# Allegro board MCU-OLD.brd (continued)
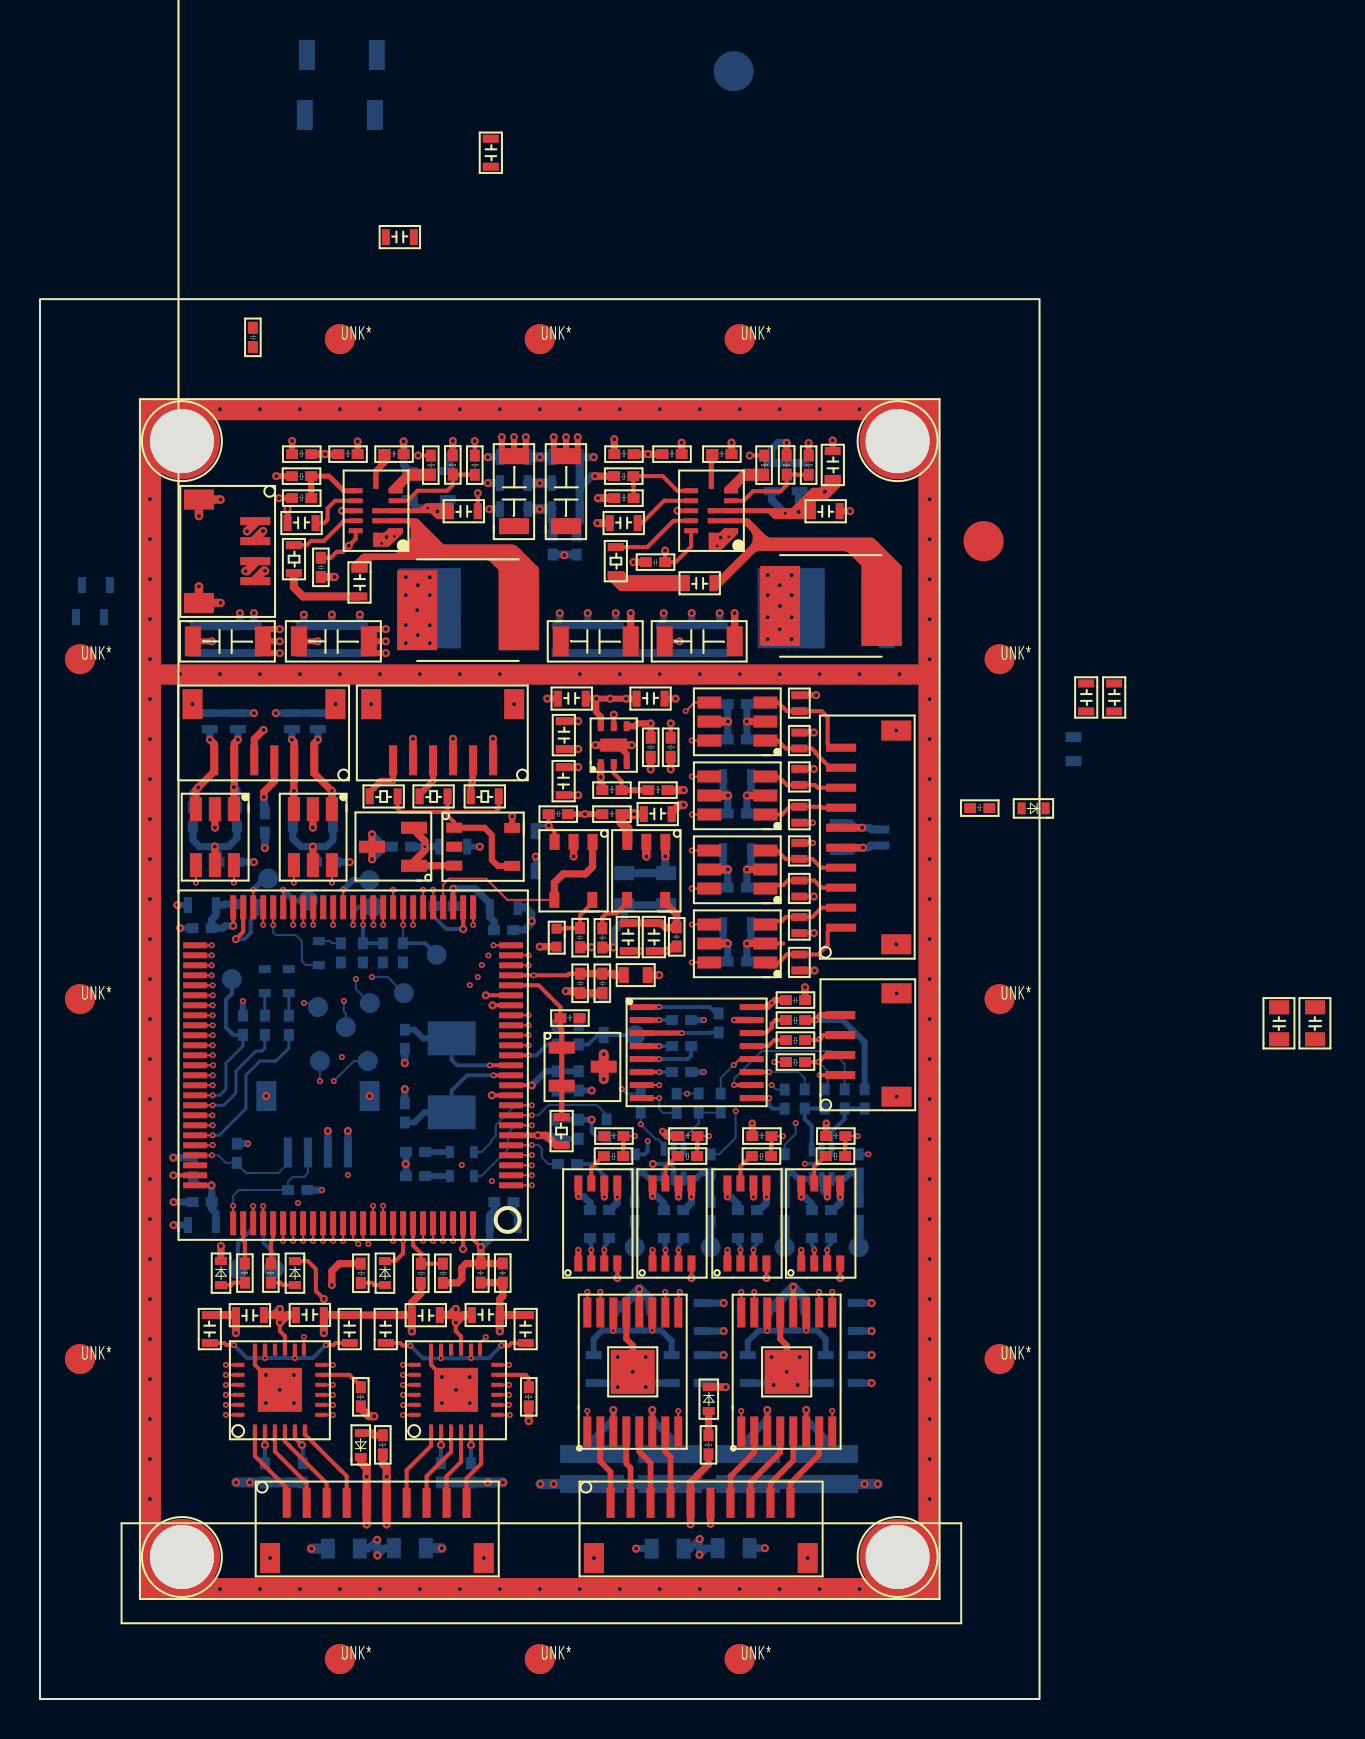
[diagram p0: board, top side]
## Routing (per net, layer and track width the routed paths; a pad name or vN(x,y) marks a point on that pad's centre or on a via; arc(x,y) is an arc through that point) (continued)
M4_PWM-: length 36.7
  TOP w0.1: U19.32 v2(18.67,38.71) ; U27.10 v2(38.98,20.36)
  SIGNAL-L8 w0.1: v2(18.67,38.71) 18.2,38.25 18.2,36.5 19.7,35 19.7,26.8 21.73,24.77 24.21,24.77 25.41,23.57 28.83,23.57 30.4,22 37.5,22 38.75,20.75 38.75,20.59 v2(38.98,20.36)
MCU_LED1: length 8.1
  TOP w0.1: U19.70 v2(8.64,28.19)
  BOTTOM w0.15: v2(8.64,28.19) 8.96,28.19 10.3,29.52 10.3,31.2 11,31.9 11.8,31.9 12.45,32.55 R144.1
MCU_LED2: length 6
  TOP w0.1: U19.67 v2(8.64,29.69)
  BOTTOM w0.15: v2(8.64,29.69) 9.19,29.69 9.8,30.3 9.8,31.4 10.8,32.4 11.1,32.4 11.25,32.55 R140.1
MCU_LED3: length 2
  TOP w0.2: U19.77 10.16,22.96 10.25,22.87 R150.1
MCU_LED4: length 2.1
  TOP w0.2: R145.1 11.55,22.85 11.66,22.96 U19.80
MCU_RST_CPU: length 3.7
  TOP w0.1: U19.33 v2(18.17,38.71)
  BOTTOM w0.1: v2(18.17,38.71) 18.17,38.28 18.15,38.27 R309.1
  BOTTOM w0.2: TP55.1 19.27,37.79 R309.1
MCU_RST_FPGA: length 8.3
  TOP w0.1: U19.66 v2(8.64,30.19)
  BOTTOM w0.15: R328.1 10.15,32.65 9.3,31.8 9.3,30.5 8.99,30.19 v2(8.64,30.19)
  BOTTOM w0.2: R328.1 9.67,33.21 9.3,33.58 9.3,34.97 9.6,35.27 TP43.1
MCU_SPI2_MISO: length 9.5
  TOP w0.1: U19.53 v2(8.59,36.69)
  SIGNAL-L7 w0.1: v2(8.59,36.69) 13.41,36.69 v2(15.2,34.9)
  BOTTOM w0.1: TP60.1 15.3,34.28 15.2,34.38 v2(15.2,34.9)
MCU_SPI2_MOSI: length 7.2
  TOP w0.1: U19.54 v2(8.59,36.19)
  SIGNAL-L7 w0.1: v2(8.59,36.19) 12.51,36.19 13.2,35.5 v2(13.2,34.8)
  BOTTOM w0.1: TP59.1 13.7,34.8 v2(13.2,34.8)
MCU_SPI2_NSS: length 11.4
  TOP w0.1: U19.51 v2(8.59,37.69)
  SIGNAL-L7 w0.1: v2(16.6,36.1) 15.2,37.5 9.6,37.5 9.41,37.69 v2(8.59,37.69)
  BOTTOM w0.1: TP62.1 17.4,36.1 v2(16.6,36.1)
MCU_SPI2_SCK: length 10
  TOP w0.1: U19.52 v2(8.59,37.19)
  SIGNAL-L7 w0.1: v2(8.59,37.19) 14.61,37.19 v2(15.8,36)
  BOTTOM w0.1: v2(15.8,36) 15.8,35.5 TP61.1
MCU_UART1_RXD: length 10.1
  TOP w0.1: U19.69 v2(8.64,28.69)
  SIGNAL-L4 w0.1: v2(8.64,28.69) 12.79,28.69 14.7,30.6 v2(14.7,30.9)
  BOTTOM w0.1: TP57.1 15.7,31.9 v2(14.7,30.9)
MCU_UART1_TXD: length 8
  TOP w0.1: U19.68 v2(8.62,29.19)
  SIGNAL-L4 w0.1: v2(14,30.9) 14,30.8 12.39,29.19 v2(8.62,29.19)
  BOTTOM w0.1: v2(14,30.9) TP58.1
MCU_UART3_RXD: length 37.4
  TOP w0.1: U19.56 v2(8.64,35.19)
  SIGNAL-L4 w0.1: v2(8.64,35.19) 9.49,35.19 9.6,35.3 20.77,35.3 21.17,35.7 v2(21.5,35.7)
  SIGNAL-L7 w0.1: v2(21.5,35.7) 23.6,35.7 24.8,34.5 30.1,34.5 30.6,35 34.6,35 36,33.6 36,30.6 v2(34.8,29.4)
  BOTTOM w0.1: R331.1 33.98,27.24 34.8,28.06 v2(34.8,29.4)
MCU_UART3_TXD: length 37.9
  TOP w0.1: U19.55 v2(8.64,35.69)
  SIGNAL-L4 w0.1: v2(21.9,36.1) 21.1,36.1 20.69,35.69 15.95,35.69 15.94,35.67 15.66,35.67 15.65,35.69 v2(8.64,35.69)
  SIGNAL-L7 w0.1: v2(21.9,36.1) 23.7,36.1 25,34.8 29.7,34.8 30.3,35.4 35.2,35.4 37.8,32.8 v2(37.8,28.8)
  BOTTOM w0.1: R324.1 37.25,27.72 37.8,28.27 v2(37.8,28.8)
MCU_UART4_RXD: length 29.9
  TOP w0.1: U19.79 v2(11.16,24.65)
  SIGNAL-L4 w0.1: v2(11.16,24.65) 11.16,25.46 12.3,26.6 16.48,26.6 17.18,25.9 v2(22.6,25.9)
  SIGNAL-L8 w0.1: v2(30.4,27.9) 29.8,27.3 29.8,24.9 29.1,24.2 26.2,24.2 25.17,25.23 23.6,25.23 22.93,25.9 v2(22.6,25.9)
  BOTTOM w0.2: v2(11.16,24.65) 11.16,24.28 11.19,24.25 11.19,22.81 11.7,22.3 TP47.1 ; R338.1 30.24,27.24 30.4,27.4 v2(30.4,27.9)
MCU_UART4_TXD: length 41.9
  TOP w0.1: U19.78 v2(10.66,24.65)
  SIGNAL-L4 w0.1: v2(10.66,24.65) 10.66,25.66 12,27 16.7,27 17.5,26.2 20.27,26.2 20.77,26.7 v2(21.1,26.7)
  SIGNAL-L8 w0.1: v2(21.1,26.7) 21.6,26.7 21.9,26.4 21.9,25.67 22.37,25.2 22.9,25.2 23.1,25 24.3,25 25.5,23.8 39.7,23.8 41.67,25.77 41.67,27.01 v2(41.44,27.24)
  BOTTOM w0.2: TP48.1 9.9,22.8 10.66,23.56 v2(10.66,24.65) ; R332.1 v2(41.44,27.24)
NFAULT12: length 28.2
  TOP w0.1: v2(31.93,14.41) U26.8 ; U19.7 v2(24.6,28.69)
  SIGNAL-L3 w0.1: v2(31.93,14.41) 32.8,15.28 32.8,20.2 33,20.4 33,22 32.8,22.2 32.8,24.83 32.94,24.97 32.94,25.26 32.8,25.4 32.8,26.2 32.7,26.3 27.6,26.3 25.21,28.69 v2(24.6,28.69)
  BOTTOM w0.1: D20.1 22.08,26.15 23.4,27.47 23.4,28.3 23.79,28.69 v2(24.6,28.69)
NFAULT34: length 34.9
  TOP w0.1: U27.8 v2(39.63,14.41) ; U19.9 v2(24.6,29.69)
  SIGNAL-L3 w0.1: v2(39.63,14.41) 39.2,14.83 33.97,14.83 33.72,15.08 33.72,18.21 33.7,18.23 33.7,18.57 33.72,18.59 33.72,20.92 33.9,21.1 33.9,26.5 32.6,27.8 30.94,27.8 30.64,27.5 27.8,27.5 25.61,29.69 v2(24.6,29.69)
  BOTTOM w0.1: D21.1 22.08,27.35 22.57,27.85 22.57,27.94 22.8,28.16 22.8,28.7 23.79,29.69 v2(24.6,29.69)
NRST_MCU: length 6.6
  TOP w0.2: v2(24.44,32.19) U19.14
  BOTTOM w0.2: TP56.1 29.05,33.2 29.04,33.2 D40.2 27.9,33.2 27.43,32.73 R323.2 C504.2 25.37,32.73 24.83,32.19 v2(24.44,32.19)
NSLEEP12: length 18.7
  TOP w0.1: U26.1 v2(27.38,14.41) ; U19.5 24.59,27.69 v2(24.6,27.7)
  SIGNAL-L3 w0.1: v2(27.38,14.41) 27.38,15.22 26.4,16.2 26.4,26.23 24.93,27.7 v2(24.6,27.7)
  BOTTOM w0.1: R180.1 25.43,26.75 25.1,27.08 25.1,27.53 24.93,27.7 v2(24.6,27.7)
NSLEEP34: length 29.8
  TOP w0.1: v2(35.08,14.41) U27.1 ; U19.8 v2(24.6,29.19)
  SIGNAL-L3 w0.1: v2(24.6,29.19) 25.31,29.19 27.3,27.2 32.5,27.2 33.3,26.4 33.3,14.9 33.79,14.41 v2(35.08,14.41)
  BOTTOM w0.1: v2(24.6,29.19) 24.93,29.19 25.44,29.7 27.86,29.7 28.35,29.21 R182.1
OSCIN: length 6.9
  TOP w0.2: U19.12 v2(22.68,31.19)
  BOTTOM w0.2: Y3.2 20.59,30.42 21.36,31.19 v2(22.68,31.19)
  BOTTOM w0.3: C527.2 18.73,28.83 19.24,29.34 Y3.2
OSCOUT: length 6.7
  TOP w0.2: U19.13 v2(22.5,31.69)
  BOTTOM w0.2: Y3.1 20.59,31.96 20.87,31.69 v2(22.5,31.69)
  BOTTOM w0.3: Y3.1 19.16,33.04 18.73,33.47 C513.2
PHY_UART_RX1: length 7.3
  TOP w0.3: J21.4 39.05,34.2 v2(38.8,33.95) R371.2
  BOTTOM w0.1: 41.25,30.29 R348.1
  BOTTOM w0.3: v2(38.8,33.95) 40.15,33.95 41.25,32.85 R348.1
PT100-1: length 9.4
  TOP w0.1: U19.30 v2(19.67,40.47)
  TOP w0.3: J7.2 21.64,46.92 v2(21.64,45.91) 21.64,45.82 21.55,45.73 R299.2
  SIGNAL-L3 w0.1: v2(19.67,40.47) 19.67,40.84 20.5,41.67 20.5,45.4 21.01,45.91 v2(21.64,45.91)
PT100-2: length 9.1
  TOP w0.1: U19.31 v2(19.17,40.47)
  TOP w0.3: J7.4 19.67,46.93 v2(19.67,45.91) 18.99,45.24 R298.2
  SIGNAL-L3 w0.1: v2(19.17,40.47) 19.17,40.9 18.55,41.52 18.55,44.16 19.67,45.28 v2(19.67,45.91)
PT100-3: length 9
  TOP w0.1: U19.34 v2(17.67,40.47)
  TOP w0.3: R297.2 16.49,45.34 17.06,45.91 v2(17.66,45.91) J7.6
  SIGNAL-L3 w0.1: v2(17.66,45.91) 17.66,45.59 17.67,45.58 v2(17.67,40.47)
SMTR1_ADEC: length 12.4
  TOP w0.1: U19.86 v2(14.66,22.91) ; U48.19 v2(9.3,16.71)
  SIGNAL-L3 w0.1: v2(14.66,22.91) 14.66,22.16 12.9,20.4 9.8,20.4 8.8,19.4 8.8,16.88 8.97,16.71 v2(9.3,16.71)
SMTR1_DEC0: length 14.4
  TOP w0.1: U19.83 v2(13.16,22.91) ; U48.22 v2(9.3,15.21)
  SIGNAL-L3 w0.1: v2(13.16,22.91) 13.16,22.36 12.3,21.5 9,21.5 7.6,20.1 7.6,16.5 8.89,15.21 v2(9.3,15.21)
SMTR1_DEC1: length 15.9
  TOP w0.1: v2(12.16,22.91) U19.81 ; U48.24 v2(9.3,14.21)
  SIGNAL-L3 w0.1: v2(12.16,22.91) 12.16,22.58 11.78,22.2 8.3,22.2 6.8,20.7 6.8,16 8.59,14.21 v2(9.3,14.21)
SMTR1_DIR: length 7.1
  TOP w0.1: v2(15.16,22.91) 15.16,22.97 15.16,22.97 U19.87 ; U48.13 v2(13.2,18.1)
  SIGNAL-L3 w0.1: v2(13.2,18.1) 13.2,20 15.16,21.96 v2(15.16,22.91)
SMTR1_I0: length 13.1
  TOP w0.1: U48.20 v2(9.3,16.21) ; U19.85 v2(14.16,22.91)
  SIGNAL-L3 w0.1: v2(14.16,22.91) 14.16,22.16 12.8,20.8 9.5,20.8 8.4,19.7 8.4,16.78 8.97,16.21 v2(9.3,16.21)
SMTR1_I1: length 13.8
  TOP w0.1: U19.84 v2(13.66,22.91) ; U48.21 v2(9.3,15.71)
  SIGNAL-L3 w0.1: v2(13.66,22.91) 13.66,22.26 12.5,21.1 9.2,21.1 8,19.9 8,16.6 8.89,15.71 v2(9.3,15.71)
SMTR1_M0: length 11.2
  TOP w0.1: U19.92 v2(17.66,22.91) ; v2(14.65,14.7) 14.6,14.7 14.59,14.71 U48.8
  SIGNAL-L3 w0.1: v2(14.65,14.7) 15.2,14.7 16.05,15.55 16.05,20.45 17.66,22.06 v2(17.66,22.91)
SMTR1_M1: length 10.2
  TOP w0.1: v2(14.65,15.2) 14.5,15.2 14.49,15.21 U48.9 ; U19.89 16.16,23.07 16.43,22.8 v2(16.43,22.75)
  SIGNAL-L3 w0.1: v2(16.43,22.75) 16.43,21.52 15.72,20.81 15.72,15.89 15.03,15.2 v2(14.65,15.2)
SMTR1_NFAULT: length 13.8
  TOP w0.1: U48.7 14.49,14.21 14.5,14.2 v2(14.65,14.2) ; U19.93 v2(18.16,22.91)
  TOP w0.2: v2(18.16,22.91) 18.16,22.29 17.78,21.9 D43.1
  SIGNAL-L3 w0.1: v2(14.65,14.2) 15.4,14.2 16.37,15.17 16.37,20.07 18.16,21.87 v2(18.16,22.91)
SMTR1_NSLEEP: length 15.2
  TOP w0.1: U19.82 v2(12.66,22.91) ; U48.23 v2(9.3,14.71)
  SIGNAL-L3 w0.1: v2(9.3,14.71) 8.79,14.71 7.2,16.3 7.2,20.4 8.7,21.9 12.2,21.9 12.66,22.36 v2(12.66,22.91)
SMTR1_PWM: length 28
  TOP w0.1: v2(14.65,16.7) 14.6,16.7 14.59,16.71 U48.12 ; U19.25 v2(22.68,37.69)
  SIGNAL-L3 w0.1: v2(14.65,16.7) 15.08,17.13 15.08,21.28 15.53,21.73 15.53,25.02 15.9,25.39 15.9,29.85 15.86,29.89 15.86,30.41 15.9,30.45 15.9,34.6 18.99,37.69 v2(22.68,37.69)
SMTR1_TOFF_SEL: length 9.5
  TOP w0.1: v2(15.93,22.75) 15.66,23.02 U19.88 ; U48.10 v2(14.65,15.71)
  SIGNAL-L3 w0.1: v2(14.65,15.71) 15.03,15.71 15.41,16.09 15.41,21.02 15.93,21.54 v2(15.93,22.75)
SMTR2_ADEC: length 20.1
  TOP w0.1: U28.19 v2(18.16,16.71) ; v2(24.6,27.2) 24.59,27.19 U19.4
  SIGNAL-L4 w0.1: v2(24.6,27.2) 24.93,27.2 25.3,26.83 25.3,21.6 24.2,20.5 18.4,20.5 17.1,19.2 17.1,17.38 17.77,16.71 v2(18.16,16.71)
SMTR2_DEC0: length 11
  TOP w0.1: U19.97 v2(20.16,22.91) ; U28.22 v2(18.16,15.21)
  SIGNAL-L3 w0.1: v2(20.16,22.91) 20.16,22.16 17.3,19.3 17.3,15.5 17.59,15.21 v2(18.16,15.21)
SMTR2_DEC1: length 12.2
  TOP w0.1: v2(18.16,14.2) 18.2,14.2 18.21,14.21 U28.24 ; U19.95 v2(19.16,22.91)
  SIGNAL-L3 w0.1: v2(19.16,22.91) 19.16,22.26 16.7,19.8 16.7,14.9 17.4,14.2 v2(18.16,14.2)
SMTR2_DIR: length 29.6
  TOP w0.1: U28.13 22.01,17.81 v2(22.3,18.1) ; v2(11.17,38.71) U19.47
  SIGNAL-L8 w0.1: v2(11.17,38.71) 11.17,35.53 16.2,30.5 16.2,30.43 16.09,30.32 16.09,29.98 16.2,29.87 16.2,26 15.6,25.4 15.6,24.3 16.9,23 16.9,22 17.7,21.2 21.4,21.2 22.3,20.3 v2(22.3,18.1)
SMTR2_I0: length 22.2
  TOP w0.1: U19.71 8.59,27.69 8.6,27.7 v2(8.64,27.7) ; U28.20 v2(18.16,16.21)
  SIGNAL-L4 w0.1: v2(18.16,16.21) 17.59,16.21 16.6,17.2 16.6,20.6 15.7,21.5 8.98,21.5 7.8,22.68 7.8,27.4 8.1,27.7 v2(8.64,27.7)
SMTR2_I1: length 10.4
  TOP w0.1: U28.21 v2(18.16,15.71) ; U19.98 v2(20.66,22.91)
  SIGNAL-L3 w0.1: v2(20.66,22.91) 20.66,22.06 17.6,19 17.6,15.9 17.79,15.71 v2(18.16,15.71)
SMTR2_M0: length 15.7
  TOP w0.1: v2(23.46,14.71) U28.8 ; U19.3 v2(24.6,26.69)
  SIGNAL-L3 w0.1: v2(23.46,14.71) 24.01,14.71 25.9,16.6 25.9,25.8 25.01,26.69 v2(24.6,26.69)
SMTR2_M1: length 14.3
  TOP w0.1: v2(24.6,26.19) U19.2 ; U28.9 v2(23.46,15.21)
  SIGNAL-L3 w0.1: v2(23.46,15.21) 23.91,15.21 25.5,16.8 25.5,25.7 25.01,26.19 v2(24.6,26.19)
SMTR2_NFAULT: length 40.5
  TOP w0.1: U19.46 v2(11.67,38.7) ; U28.7 23.49,14.21 v2(23.5,14.2)
  SIGNAL-L3 w0.1: v2(12.9,24.8) 12.9,32.4 11.67,33.63 v2(11.67,38.7)
  SIGNAL-L7 w0.1: v2(23.5,14.2) 23.9,14.2 24.2,14.5 24.2,19.72 22.72,21.2 17.7,21.2 16.9,22 16.9,23.4 16.5,23.8 13.3,23.8 12.9,24.2 v2(12.9,24.8)
  BOTTOM w0.1: D19.1 13.3,36.7 13.1,36.9 13.1,37.9 12.8,38.2 11.8,38.2 11.67,38.33 v2(11.67,38.7)
SMTR2_NSLEEP: length 11.7
  TOP w0.1: v2(18.16,14.7) 18.2,14.7 18.21,14.71 U28.23 ; U19.96 v2(19.66,22.91)
  SIGNAL-L3 w0.1: v2(19.66,22.91) 19.66,22.16 16.99,19.49 16.99,15.21 17.5,14.7 v2(18.16,14.7)
SMTR2_PWM: length 27.2
  TOP w0.1: U28.12 v2(23.46,16.71) ; U19.26 v2(21.67,38.71)
  SIGNAL-L4 w0.1: v2(21.67,38.71) 22.69,38.71 23.6,37.8 23.6,36.6 26,34.2 26,18.8 23.91,16.71 v2(23.46,16.71)
SMTR2_TOFF_SEL: length 12.9
  TOP w0.1: U19.1 v2(24.6,25.69) ; U28.10 v2(23.46,15.71)
  SIGNAL-L3 w0.1: v2(24.6,25.69) 24.93,25.69 25.1,25.51 25.1,16.98 23.83,15.71 v2(23.46,15.71)
STEP1A_DRV1: length 4.3
  TOP w0.2: U48.1 10.75,12.15 12.34,10.56 J18.1
STEP1A_DRV2: length 4.3
  TOP w0.2: U48.3 11.75,12.38 13.34,10.79 J18.2
STEP1B_DRV1: length 4.5
  TOP w0.2: J18.4 15.34,11.15 15.1,11.39 15.09,11.39 13.25,13.23 U48.6
STEP1B_DRV2: length 4.5
  TOP w0.2: J18.3 14.34,10.79 12.25,12.88 U48.4
STEP2A_DRV1: length 4.1
  TOP w0.2: J18.7 18.34,11.44 19.56,12.66 U28.1
STEP2A_DRV2: length 4.1
  TOP w0.2: U28.3 20.56,12.36 19.34,11.14 J18.8
STEP2B_DRV1: length 3.9
  TOP w0.2: J18.10 21.34,11.04 22.06,11.76 U28.6
STEP2B_DRV2: length 3.9
  TOP w0.2: J18.9 20.34,11.14 21.06,11.86 U28.4
SWCLK: length 6.9
  TOP w0.1: U19.76 v2(9.66,24.66)
  BOTTOM w0.1: J20.2 13.4,26.3 13.2,26.1 12.63,26.1 12.41,25.88 R157.1 9.95,25.45 9.66,25.16 v2(9.66,24.66)
SWDIO: length 5.8
  TOP w0.1: U19.72 v2(8.6,27.19)
  BOTTOM w0.1: J20.1 12.4,26.78 11.92,26.3 10.31,26.3 9.85,26.76 R153.1 9.3,26.81 8.93,27.19 v2(8.6,27.19)
TTL_TXD: length 11.2
  TOP w0.2: v2(39,31.2) J21.1
  SIGNAL-L3 w0.1: v2(32.37,30.27) 32.37,31.47 33.7,32.8 36.9,32.8 38.5,31.2 v2(39,31.2)
  BOTTOM w0.1: R369.2 v2(32.37,30.27) 32.38,30.28 R350.1
VMTR: length 18.6
  TOP w0.26: U27.12 v1(37.68,20.6) ; U26.12 v1(29.98,20.5)
  TOP w0.36: R327.2 33.44,11.74 32.54,10.84 J19.5 v1(32.54,8.74)
  BOTTOM w0.36: C188.1 v1(41.6,17.2) ; C649.1 33.32,7.54 33,7.22 ; 33,7.22 v1(33,8) 32.52,7.52 C642.1 ; 33,7.22 v1(32.99,7.21) ; C178.1 v1(34.2,19.8) ; C187.1 v1(34.2,17.2) ; C181.1 v1(41.6,19.8)
  BOTTOM w0.5: C196.1 38.24,20.04 v1(37.68,20.6) 36.65,19.57 C180.1 ; C194.1 30.54,19.95 v1(29.98,20.5) 29.05,19.57 C179.1
VREF_2V5: length 8.4
  TOP w0.2: U19.21 24.94,35.69 26.03,34.6 C487.2
  TOP w0.26: C487.2 26.03,33.54 26.1,33.47 U39.1 U39.2 R320.2
VSMTR: length 14.4
  TOP w0.2: U48.15 12.25,18.15 12,18.4 v1(12,18.83) ; v1(20.8,18.83) 20.8,18.4 21.06,18.14 U28.15
  TOP w0.4: R379.2 17.15,11.75 17.34,11.56 v1(17.34,11.12) J18.6 v1(17.34,8.73) ; C177.1 21.17,19.2 v1(20.8,18.83) v1(20.8,19.5) 20.5,19.2 C174.1 ; C592.1 12.37,19.2 v1(12,18.83) v1(12,19.5) 11.7,19.2 C590.1
  BOTTOM w0.36: C643.1 16.42,7.52 v1(16.86,7.96) ; C648.1 17.24,7.54 v1(16.88,7.18)
  BOTTOM w0.4: v1(16.88,7.18) 16.86,7.2 v1(16.86,7.96)
N01539: length 7.6
  TOP w0.3: U26.14 v2(28.68,18.42) ; U26.11 v2(30.63,18.43)
  BOTTOM w0.3: C167.2 27.7,18 28.12,18.42 v2(28.68,18.42) 30.24,18.42 30.25,18.43 v2(30.63,18.43) 31.07,18.43 31.6,17.9 C166.2
N02684: length 12
  TOP w0.2: v1(28.88,21.05) U46.4 ; U26.3 v1(28.68,14.46)
  SIGNAL-L4 w0.2: v1(28.88,21.05) 28.88,19.58 27.7,18.4 27.7,15.9 28.7,14.9 28.7,14.48 v1(28.68,14.46)
  BOTTOM w0.36: R170.2 27.62,12.93 28.69,14 28.69,14.44 v1(28.68,14.46)
N02906: length 11.8
  TOP w0.2: U26.6 v1(30.63,14.46) ; U45.4 v1(32.59,21.05)
  SIGNAL-L4 w0.2: v1(30.63,14.46) 31.6,15.43 31.6,17.5 32.59,18.49 v1(32.59,21.05)
  BOTTOM w0.36: v1(30.63,14.46) 30.63,13.97 31.52,13.08 R171.2
N04940: length 1.2
  BOTTOM w0.3: R181.2 D20.2
N07800: length 1.3
  TOP w0.2: U45.2 v2(31.29,22.46)
  BOTTOM w0.2: v2(31.29,22.46) 31.29,22.71 31.21,22.79 R360.1
N07815: length 1.4
  TOP w0.2: U45.3 v2(31.94,22.46)
  BOTTOM w0.2: v2(31.94,22.46) 31.94,22.64 32.17,22.87 R360.2
N08892: length 1.3
  TOP w0.2: U46.2 v2(27.58,22.46)
  BOTTOM w0.2: R361.1 27.51,22.79 27.58,22.72 v2(27.58,22.46)
N08904: length 1.4
  TOP w0.2: U46.3 v2(28.23,22.46)
  BOTTOM w0.2: R361.2 28.47,22.87 28.23,22.63 v2(28.23,22.46)
N10404: length 1.7
  TOP w0.2: R339.1 28.16,27.15 27.58,26.57 U46.7
N11136: length 1.7
  TOP w0.2: R342.1 31.86,27.15 31.29,26.58 U45.7
N27735: length 7.6
  TOP w0.3: U27.14 v2(36.38,18.42) ; U27.11 v2(38.33,18.43)
  BOTTOM w0.3: C170.2 39.3,18 38.87,18.43 v2(38.33,18.43) 37.95,18.43 37.94,18.42 v2(36.38,18.42) 35.95,18.42 35.4,17.87 C169.2
N27979: length 11.8
  TOP w0.2: v1(36.34,21.05) U44.4 ; U27.3 v1(36.38,14.46)
  SIGNAL-L4 w0.2: v1(36.34,21.05) 36.34,19.54 35.4,18.6 35.4,15.86 36.38,14.88 v1(36.38,14.46)
  BOTTOM w0.36: R172.2 35.42,13.02 36.38,13.98 v1(36.38,14.46)
N28117: length 11.7
  TOP w0.2: U27.6 v1(38.33,14.46) ; U43.4 v1(40.03,21.05)
  SIGNAL-L4 w0.2: v1(38.33,14.46) 39.2,15.33 39.2,17.5 40.03,18.33 v1(40.03,21.05)
  BOTTOM w0.36: R173.2 39.32,12.98 38.33,13.97 v1(38.33,14.46)
N28299: length 1.3
  TOP w0.2: U43.2 v2(38.73,22.46)
  BOTTOM w0.2: R358.1 38.61,22.7 38.73,22.58 v2(38.73,22.46)
N28303: length 1.3
  TOP w0.2: U43.3 v2(39.38,22.46)
  BOTTOM w0.2: R358.2 39.57,22.77 39.4,22.6 39.4,22.48 v2(39.38,22.46)
N28307: length 1.3
  TOP w0.2: U44.2 v2(35.04,22.46)
  BOTTOM w0.2: R359.1 34.91,22.79 35.04,22.66 v2(35.04,22.46)
N28311: length 1.3
  TOP w0.2: U44.3 v2(35.69,22.46)
  BOTTOM w0.2: v2(35.69,22.46) 35.69,22.59 35.87,22.77 R359.2
N28637: length 1.2
  BOTTOM w0.3: R186.2 D21.2
N28731: length 1.6
  TOP w0.2: R340.1 39.26,27.15 38.73,26.62 U43.7
N28759: length 1.6
  TOP w0.2: U44.7 35.04,26.63 35.56,27.15 R341.1
N30927: length 1.6
  TOP w0.2: U48.2 v1(11.25,12.7)
  BOTTOM w0.2: R370.1 v1(11.25,12.7)
N30933: length 1.8
  TOP w0.2: U48.5 12.75,13.05 v1(13.1,12.7)
  BOTTOM w0.2: R373.1 13.15,12.65 v1(13.1,12.7)
N33222: length 8.5
  TOP w0.2: U48.17 v2(11.25,17.05) ; v2(9.7,17.7) 9.32,17.7 9.22,17.8 C595.1 ; U48.14 v2(12.75,17.05) ; v2(14.3,17.7) 14.68,17.7 14.78,17.8 C594.1
  BOTTOM w0.2: v2(9.7,17.7) 10.35,17.05 v2(11.25,17.05) v2(12.75,17.05) 13.65,17.05 v2(14.3,17.7)
N38076: length 2.3
  TOP w0.2: U48.11 15.48,16.21 16.05,15.64 R363.1
N39890: length 1.2
  TOP w0.2: D43.2 16.72,20.7 16.61,20.81 R374.1
N41862: length 8.5
  TOP w0.2: U28.14 v2(21.56,17.05) ; U28.17 v2(20.06,17.04) ; C185.1 18.02,17.8 18.15,17.67 v2(18.53,17.67) ; v2(23.08,17.67) 23.46,17.67 23.58,17.8 C190.1
  BOTTOM w0.2: v2(18.53,17.67) 19.16,17.04 v2(20.06,17.04) 21.18,17.04 21.18,17.05 v2(21.56,17.05) 22.45,17.05 v2(23.08,17.67)
N42130: length 1.6
  TOP w0.2: U28.2 v1(20.06,12.7)
  BOTTOM w0.2: R178.1 20.05,12.69 v1(20.06,12.7)
N42224: length 1.6
  TOP w0.2: U28.5 v1(21.56,12.7)
  BOTTOM w0.2: R184.1 21.55,12.69 v1(21.56,12.7)
N42300: length 2.1
  TOP w0.2: U28.11 24.29,16.21 24.45,16.05 R176.1
N42416: length 1.1
  BOTTOM w0.1: D19.2 14.51,37.9 14.62,37.79 R183.1
N50111: length 18.3
  TOP w0.2: C154.2 v1(25.45,43.67) 25.45,43.66 25.74,43.36 U22.3
  SIGNAL-L3 w0.2: v1(26.23,57.2) 26.23,56.27 26.7,55.8 26.7,52.6 24.8,50.7 24.8,44.32 v1(25.45,43.67)
  BOTTOM w0.2: D18.1 24.8,43.47 25,43.67 v1(25.45,43.67)
  BOTTOM w0.4: R156.2 26.2,57.23 v1(26.23,57.2) 26.25,57.22 R154.1
N52095: length 2.9
  TOP w0.2: U22.5 27.63,39.81 27.02,39.2 C163.1 26.35,38.55 26.32,38.52 L20.1
N57048: length 5.8
  TOP w0.36: U40.2 18.71,43.45 19.25,42.91 v2(19.25,42.62) 19.25,42.43 18.71,41.89 18.71,41.66 19.67,41.66 19.67,41.67 U37.3
  BOTTOM w0.36: R291.2 v2(19.25,42.62) C472.2
N57288: length 12.6
  TOP w0.2: R298.1 20.39,44.35 ; 20.39,44.35 20.39,44.17 20.72,43.84 U37.1 ; 20.39,44.35 18.05,44.35 17.89,44.51 R297.1 ; 20.39,44.35 22.79,44.35 22.95,44.51 R299.1
  TOP w0.3: U37.1 22.23,43.57 22.6,43.2 22.6,41.96 22.9,41.66 U37.4
N4905822: length 2.2
  TOP w0.22: C157.2 28.13,39.08 28.34,39.29 28.85,39.29 29.37,39.81 U21.4
N7119824: length 4
  TOP w0.26: U47.1 v2(30.98,34.6)
  BOTTOM w0.2: C596.1 33.81,34.29 33.5,34.6 v2(30.98,34.6)
N7119928: length 1.5
  TOP w0.26: U47.4 v2(30.98,32.65)
  BOTTOM w0.2: C601.1 v2(30.98,32.65)
N7119940: length 1.5
  TOP w0.26: U47.2 v2(30.98,33.95)
  BOTTOM w0.2: C607.1 v2(30.98,33.95)
N7119964: length 3.9
  TOP w0.26: U47.3 v2(32.1,33.3)
  BOTTOM w0.2: C596.2 33.47,33.33 33.44,33.3 v2(32.1,33.3)
N7119992: length 1.5
  TOP w0.2: U47.6 v2(30.98,31.35)
  BOTTOM w0.2: C611.1 v2(30.98,31.35)
N7120000: length 3
  TOP w0.26: U47.5 v2(30.98,32)
  BOTTOM w0.2: v2(30.98,32) 32.4,32 32.57,32.17 C601.2
N7120004: length 2.9
  BOTTOM w0.3: U41.3 37.96,26 37.68,26.28 R324.2
  BOTTOM w0.5: R322.2 R324.2
N7120715: length 1.3
  BOTTOM w0.5: TP53.1 R322.1
N7120840: length 1.3
  BOTTOM w0.36: TP54.1 R329.1
N7121019: length 1.3
  BOTTOM w0.36: TP51.1 R336.1
N7121024: length 1.3
  BOTTOM w0.5: TP52.1 R330.1
N7132397: length 2.1
  TOP w0.2: R371.1 36.78,33.95 36.6,33.77 36.6,33.59 36.31,33.3 U47.14
N7132401: length 8
  TOP w0.1: U47.7 v2(30.98,30.7) ; R368.1 v2(36.73,31.85)
  SIGNAL-L4 w0.1: v2(30.98,30.7) 31.3,30.7 32.88,32.28 36.3,32.28 v2(36.73,31.85)
N7132405: length 1.8
  TOP w0.2: U47.13 36.43,32.65 36.73,32.95 R372.1
N7132409: length 2.4
  TOP w0.1: U47.8 v2(30.98,30.05)
  BOTTOM w0.1: R369.1 31.17,29.31 30.98,29.5 v2(30.98,30.05)
N7132815: length 3.2
  BOTTOM w0.1: R349.2 R350.2 32.95,28.79 32.2,28.04 U42.3
N7132819: length 10.5
  SIGNAL-L3 w0.1: v2(30.05,28.74) 32.34,28.74 33.7,30.1 35.4,30.1 36,30.7 v2(36.6,30.7)
  BOTTOM w0.1: R335.2 v2(30.05,28.74) 30.81,27.99 30.92,27.99 31.2,27.71 U42.1 ; R334.2 36.82,30.48 v2(36.6,30.7)
N7301618: length 2.9
  BOTTOM w0.3: R331.2 33.07,26.28 32.82,26.03 U42.4
  BOTTOM w0.36: R329.2 R331.2
N7301681: length 2.9
  BOTTOM w0.3: R332.2 40.52,26.28 40.24,26 U41.1
  BOTTOM w0.5: R330.2 R332.2
N7301693: length 3
  BOTTOM w0.3: R338.2 30.23,26.28 30.48,26.03 U42.6
  BOTTOM w0.36: R336.2 R338.2
N7303091: length 3.5
  TOP w0.2: U47.11 v2(36.48,31.35)
  BOTTOM w0.1: 38.25,30.29 R346.1 38.25,31.05 37.95,31.35 v2(36.48,31.35)
N7303129: length 9
  TOP w0.2: v2(34.72,30.7) U47.10
  BOTTOM w0.1: 40.25,30.29 R347.1 40.25,31.75 39.6,32.4 36.1,32.4 34.72,31.03 v2(34.72,30.7)
N7303150: length 2.7
  TOP w0.1: v2(34.7,31.7) 35,32 U47.12
  BOTTOM w0.1: R349.1 34.05,31.05 v2(34.7,31.7)
N7303177: length 2.1
  TOP w0.26: U47.9 v2(36.48,30.05)
  BOTTOM w0.2: v2(36.48,30.05) 36.48,29.67 36.63,29.52 R334.1
N7304159: length 3.2
  BOTTOM w0.2: R345.2 R346.2 38.25,29 38.6,28.65 U41.4
N7304177: length 3.3
  BOTTOM w0.2: R348.2 R347.2 40.25,29 39.6,28.35 U41.6
N7735309: length 1.9
  TOP w0.1: U19.48 v2(10.67,40.47)
  BOTTOM w0.3: v2(10.67,40.47) 11.23,41.03 TP4.1
N7767499: length 2.6
  TOP w0.1: U19.38 v2(15.67,38.71)
  BOTTOM w0.2: v2(15.67,38.71) 15.67,39.34 15.95,39.62 TP63.1
N7936310: length 1.1
  BOTTOM w0.15: D15.2 R144.2
N7936621: length 1.1
  BOTTOM w0.15: D14.2 R140.2
N7936920: length 1.2
  TOP w0.2: D17.2 9.58,20.7 9.7,20.82 R150.2
N7937230: length 1.2
  TOP w0.2: D16.2 12.15,20.7 12.03,20.82 R145.2
N8000304: length 2.4
  TOP w0.1: U19.45 v2(12.17,40.47)
  BOTTOM w0.3: TP2.1 12.71,39.93 v2(12.17,40.47)
N8000357: length 2.4
  TOP w0.1: U19.39 v2(15.17,40.47)
  BOTTOM w0.3: v2(15.17,40.47) 15.65,40.95 TP1.1
N8196940: length 4.7
  TOP w0.2: R59.1 37.84,61.22 37.83,61.23 R58.2 37.35,60.7 37.04,60.4 35.67,60.4 35.19,59.92 U11.4
N8196944: length 6.1
  TOP w0.2: U11.9 v1(31.89,59.42)
  TOP w0.36: R49.1 v1(30.41,62.25) R50.2
  SIGNAL-L4 w0.2: v1(31.89,59.42) 30.92,59.42 30.41,59.92 v1(30.41,62.25)
N8196950: length 12.4
  TOP w0.2: R57.2 v1(35.5,62.18) ; v1(31.27,57.43) C84.2 31.8,56.85 32.57,57.62 U11.11
  SIGNAL-L3 w0.2: v1(35.5,62.18) 34.92,61.6 31.7,61.6 30.9,60.8 30.9,58.31 31.27,57.94 v1(31.27,57.43)
N8197004: length 4.3
  TOP w0.2: R86.1 30.38,57.6 31.7,58.92 U11.10
N8197022: length 3.1
  TOP w0.2: U11.8 31.22,59.92 30.1,58.8 C75.2
N8197032: length 4.3
  TOP w0.2: R75.1 29.69,60.66 29.68,60.67 R69.2 31.15,61.15 31.88,60.42 U11.7
N8197074: length 3.6
  TOP w0.2: R87.1 13.34,57.7 13.55,57.91 14.21,57.91 15.21,58.92 U12.10
N8197078: length 4.2
  TOP w0.4: R87.2 12.7,55.59 13.15,55.13 C89.2
N8197146: length 4.8
  TOP w0.2: U12.4 18.39,59.92 18.89,60.42 20.37,60.42 20.65,60.7 R61.2 21.26,61.23 21.27,61.22 R62.1
N8197148: length 5.5
  TOP w0.25: v1(15.11,59.42) U12.9
  TOP w0.36: R52.2 v1(14.26,62.25) R51.1
  SIGNAL-L4 w0.25: v1(14.26,62.25) 14.26,59.82 14.66,59.42 v1(15.11,59.42)
N8197154: length 2.8
  TOP w0.2: C76.2 14.21,58.8 14.39,58.98 14.39,59.55 14.76,59.92 U12.8
N8197166: length 3.6
  TOP w0.25: U12.7 15.19,60.42 14.46,61.15 R70.2
  TOP w0.3: R76.1 13.57,60.61 13.56,60.62 R70.2
N8197176: length 12.1
  TOP w0.2: U12.11 15.79,58.01 v1(15.45,57.67) 15.15,57.37 14.84,57.37 14.54,57.07 C85.2 ; R60.2 v1(18.91,62.18)
  SIGNAL-L3 w0.2: v1(15.45,57.67) 14.26,58.85 14.26,60.92 15.52,62.18 v1(18.91,62.18)
N8449814: length 4.3
  TOP w0.2: R317.2 v1(31.55,48.78) ; U38.5 v1(28.7,49.23)
  SIGNAL-L3 w0.2: v1(28.7,49.23) 31.11,49.23 v1(31.55,48.78)
N8449940: length 2.8
  TOP w0.2: R315.1 29.09,45.91 28.7,46.3 U38.2
  TOP w0.3: R315.1 R316.2
N8933647: length 1.2
  TOP w0.36: R327.1 33.44,14.01 33.45,14.02 D42.2
N8934237: length 1.1
  TOP w0.36: R379.1 16.71,13.19 16.6,13.3 D56.2

## Copper pours and planes (outline as drawn; the poured copper is in the pictures)
5V5_MCU_PWR on BOTTOM (solid shape): 39.25,52.54 35.9,52.54 35.9,56.55 39.25,56.55
5V5_MCU_PWR on PWR-L6: 28.92,60.3 28.92,55.85 29.75,55.02 35.92,55.02 36.02,55.12 36.02,56.66 38.02,56.66 38.02,52.66 36.02,52.66 35.47,52.1 25.6,52.1 25.6,54.48 27.57,56.45 27.57,60.3
12V_MTR on BOTTOM (solid shape): 21.05,52.54 17.95,52.54 21.05,56.55
12V_MTR on PWR-L6: 19.87,56.45 19.87,52.09 6.62,52.09 6.62,60.4 6.72,60.5 12.91,60.5 12.91,58.4 12.43,58.4 12.16,58.4 11.97,58.21 11.97,55.61 12.96,54.62 17.19,54.62 17.87,55.3 17.87,56.45
GND on TOP (solid shape): 18.14,58.3 17.52,57.68 17.46,57.64 17.38,57.62 16.68,57.62 16.68,58.32 17.13,58.32 17.21,58.34 17.27,58.38 17.44,58.55 18.14,58.55
GND on TOP (solid shape): 34.92,58.3 34.14,57.52 34.08,57.48 34,57.46 33.45,57.46 33.45,58.32 33.91,58.32 33.99,58.34 34.05,58.38 34.22,58.55 34.92,58.55
GND on TOP (solid shape): 44.95,5.05 5.05,5.05 5.05,6.05 43.95,6.05 43.95,50.73 6.05,50.73 6.05,6.05 5.05,6.05 5.05,51.73 43.95,51.73 43.95,63.95 6.05,63.95 6.05,51.73 5.05,51.73 5.05,64.95 44.95,64.95
GND on BOTTOM (solid shape): 44.95,5.05 5.05,5.05 5.05,6.05 43.95,6.05 43.95,50.73 6.05,50.73 6.05,6.05 5.05,6.05 5.05,51.73 43.95,51.73 43.95,63.95 6.05,63.95 6.05,51.73 5.05,51.73 5.05,64.95 44.95,64.95
GND on GND-L2, GND-L5, GND-L9: 5.05,64.95 44.95,64.95 44.95,5.05 5.05,5.05
